# Altium PCB Z693_H93-A_KD01_V1.3_X6.PcbDoc (part 1 of 7) (continued)
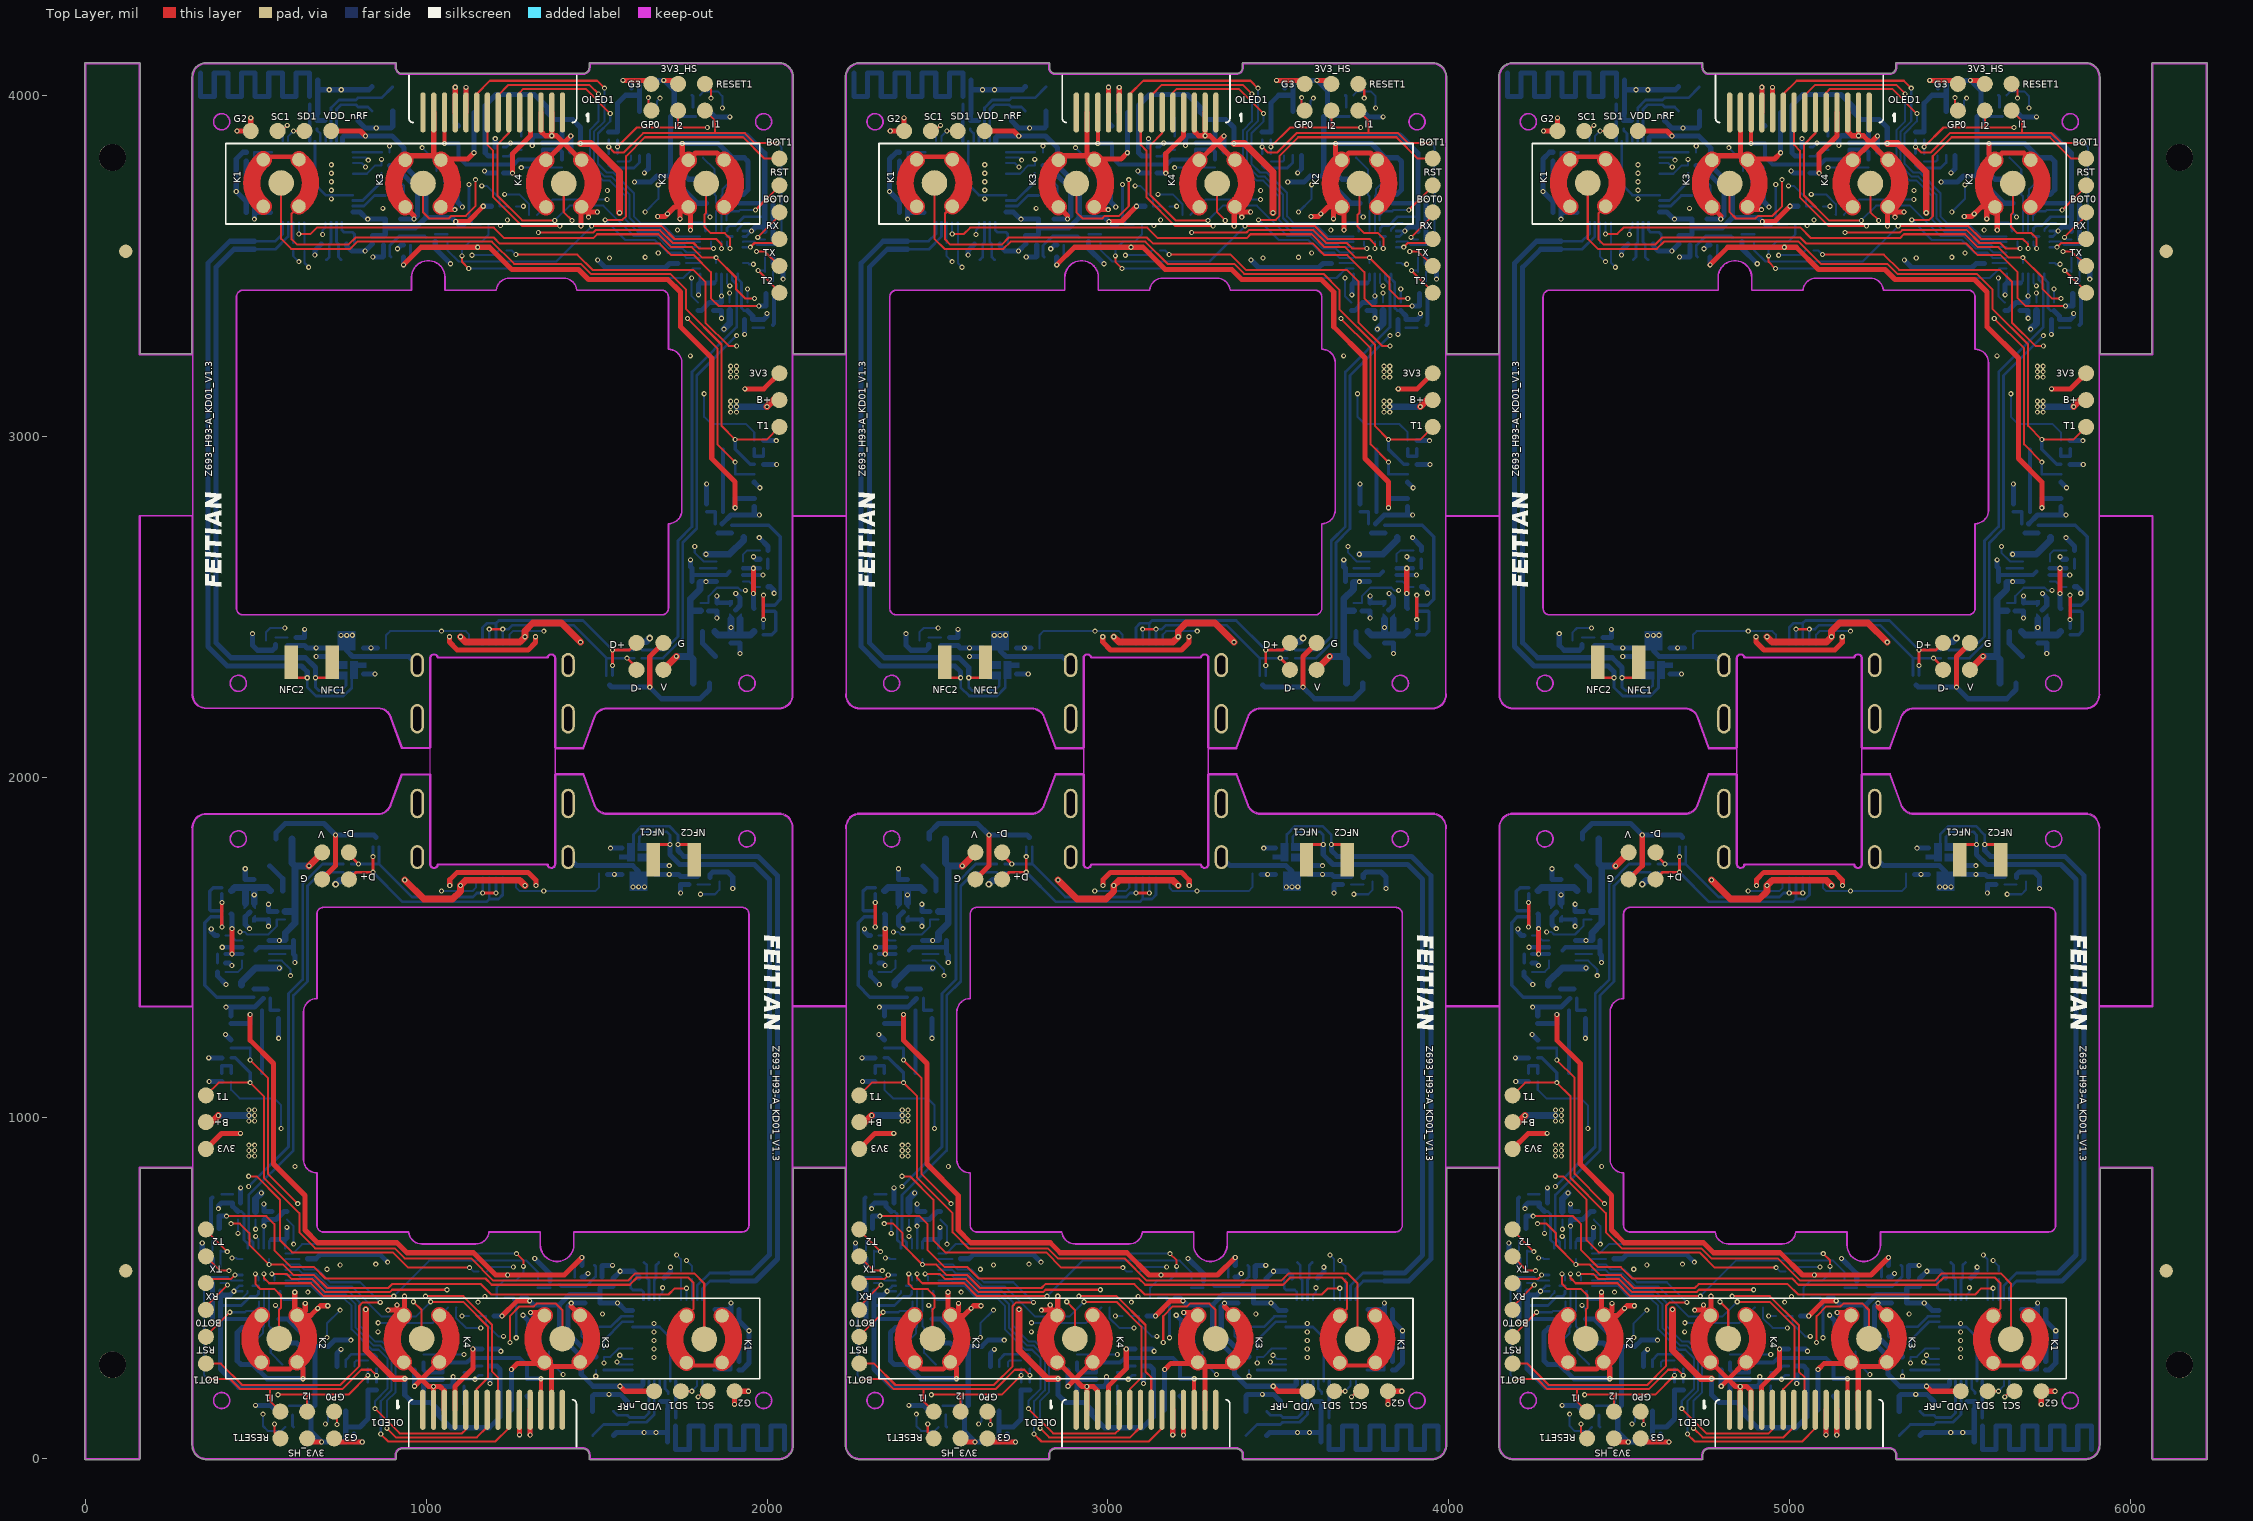
[diagram p0: Top Layer view]
## Components (designator, comment, footprint, x,y, rotation, side; value= is the part's Value field where it differs from the comment) (continued)
C25 "0.1uF" FT_0201_电容 896.88,3881.93 r90 bottom
C26 "12pF" FT_0201_电容 1589.77,100.64 r270 bottom
C26 "12pF" FT_0201_电容 3507.09,100.64 r270 bottom
C26 "12pF" FT_0201_电容 5424.42,100.64 r270 bottom
C26 "12pF" FT_0201_电容 4634.64,3993.85 r90 bottom
C26 "12pF" FT_0201_电容 2717.32,3993.85 r90 bottom
C26 "12pF" FT_0201_电容 800,3993.85 r90 bottom
C27 "0.1uF" FT_0201_电容 1600.26,526.67 r90 bottom
C27 "0.1uF" FT_0201_电容 3517.58,526.67 r90 bottom
C27 "0.1uF" FT_0201_电容 5434.91,526.67 r90 bottom
C27 "0.1uF" FT_0201_电容 4624.15,3567.82 r270 bottom
C27 "0.1uF" FT_0201_电容 2706.83,3567.82 r270 bottom
C27 "0.1uF" FT_0201_电容 789.5,3567.82 r270 bottom
C28 "100pF" FT_0201_电容 1685.26,191.1 r270 bottom
C28 "100pF" FT_0201_电容 3602.58,191.1 r270 bottom
C28 "100pF" FT_0201_电容 5519.91,191.1 r270 bottom
C28 "100pF" FT_0201_电容 4539.15,3903.4 r90 bottom
C28 "100pF" FT_0201_电容 2621.83,3903.4 r90 bottom
C28 "100pF" FT_0201_电容 704.5,3903.4 r90 bottom
C29 "NC" FT_0201_电容 1710.26,191.1 r270 bottom
C29 "NC" FT_0201_电容 3627.58,191.1 r270 bottom
C29 "NC" FT_0201_电容 5544.91,191.1 r270 bottom
C29 "NC" FT_0201_电容 4514.15,3903.4 r90 bottom
C29 "NC" FT_0201_电容 2596.83,3903.4 r90 bottom
C29 "NC" FT_0201_电容 679.5,3903.4 r90 bottom
C30 "0.1uF" FT_0201_电容 400.02,1130.5 r270 bottom
C30 "0.1uF" FT_0201_电容 2317.35,1130.5 r270 bottom
C30 "0.1uF" FT_0201_电容 4234.67,1130.5 r270 bottom
C30 "0.1uF" FT_0201_电容 5824.39,2963.99 r90 bottom
C30 "0.1uF" FT_0201_电容 3907.06,2963.99 r90 bottom
C30 "0.1uF" FT_0201_电容 1989.74,2963.99 r90 bottom
C31 "1uF" FT_0201_电容 764.12,49.34 r0 bottom
C31 "1uF" FT_0201_电容 2681.44,49.34 r0 bottom
C31 "1uF" FT_0201_电容 4598.77,49.34 r0 bottom
C31 "1uF" FT_0201_电容 5460.3,4045.15 r180 bottom
C31 "1uF" FT_0201_电容 3542.97,4045.15 r180 bottom
C31 "1uF" FT_0201_电容 1625.65,4045.15 r180 bottom
C32 "0.8pF" FT_0201_电容 1708.26,141.99 r0 bottom
C32 "0.8pF" FT_0201_电容 3625.58,141.99 r0 bottom
C32 "0.8pF" FT_0201_电容 5542.91,141.99 r0 bottom
C32 "0.8pF" FT_0201_电容 4516.15,3952.51 r180 bottom
C32 "0.8pF" FT_0201_电容 2598.83,3952.51 r180 bottom
C32 "0.8pF" FT_0201_电容 681.5,3952.51 r180 bottom
C33 "NC" FT_0201_电容 1731.88,49.1 r180 bottom
C33 "NC" FT_0201_电容 3649.21,49.1 r180 bottom
C33 "NC" FT_0201_电容 5566.53,49.1 r180 bottom
C33 "NC" FT_0201_电容 4492.53,4045.4 r0 bottom
C33 "NC" FT_0201_电容 2575.21,4045.4 r0 bottom
C33 "NC" FT_0201_电容 657.88,4045.4 r0 bottom
C34 "1.2pF" FT_0201_电容 1731.88,74.02 r180 bottom
C34 "1.2pF" FT_0201_电容 3649.21,74.02 r180 bottom
C34 "1.2pF" FT_0201_电容 5566.53,74.02 r180 bottom
C34 "1.2pF" FT_0201_电容 4492.53,4020.47 r0 bottom
C34 "1.2pF" FT_0201_电容 2575.21,4020.47 r0 bottom
C34 "1.2pF" FT_0201_电容 657.88,4020.47 r0 bottom
C35 "NC" FT_0201_电容 1920.26,521.47 r90 bottom
C35 "NC" FT_0201_电容 3837.58,521.47 r90 bottom
C35 "NC" FT_0201_电容 5754.91,521.47 r90 bottom
C35 "NC" FT_0201_电容 4304.15,3573.02 r270 bottom
C35 "NC" FT_0201_电容 2386.83,3573.02 r270 bottom
C35 "NC" FT_0201_电容 469.5,3573.02 r270 bottom
C36 "NC" FT_0201_电容 1894.26,545.1 r270 bottom
C36 "NC" FT_0201_电容 3811.58,545.1 r270 bottom
C36 "NC" FT_0201_电容 5728.91,545.1 r270 bottom
C36 "NC" FT_0201_电容 4330.15,3549.4 r90 bottom
C36 "NC" FT_0201_电容 2412.83,3549.4 r90 bottom
C36 "NC" FT_0201_电容 495.5,3549.4 r90 bottom
C38 "0.1uF" FT_0201_电容 1894.35,437.71 r0 bottom
C38 "0.1uF" FT_0201_电容 3811.68,437.71 r0 bottom
C38 "0.1uF" FT_0201_电容 5729,437.71 r0 bottom
C38 "0.1uF" FT_0201_电容 4330.06,3656.78 r180 bottom
C38 "0.1uF" FT_0201_电容 2412.73,3656.78 r180 bottom
C38 "0.1uF" FT_0201_电容 495.41,3656.78 r180 bottom
C39 "1uF" FT_0201_电容 1894.35,260.48 r0 bottom
C39 "1uF" FT_0201_电容 3811.68,260.48 r0 bottom
C39 "1uF" FT_0201_电容 5729,260.48 r0 bottom
C39 "1uF" FT_0201_电容 4330.06,3834.01 r180 bottom
C39 "1uF" FT_0201_电容 2412.73,3834.01 r180 bottom
C39 "1uF" FT_0201_电容 495.41,3834.01 r180 bottom
C40 "1uF" FT_0201_电容 991.89,233.1 r180 bottom
C40 "1uF" FT_0201_电容 2909.21,233.1 r180 bottom
C40 "1uF" FT_0201_电容 4826.54,233.1 r180 bottom
C40 "1uF" FT_0201_电容 5232.52,3861.4 r0 bottom
C40 "1uF" FT_0201_电容 3315.2,3861.4 r0 bottom
C40 "1uF" FT_0201_电容 1397.87,3861.4 r0 bottom
C41 "22pF" FT_0201_电容 991.89,282.1 r90 bottom
C41 "22pF" FT_0201_电容 2909.21,282.1 r90 bottom
C41 "22pF" FT_0201_电容 4826.54,282.1 r90 bottom
C41 "22pF" FT_0201_电容 5232.52,3812.4 r270 bottom
C41 "22pF" FT_0201_电容 3315.2,3812.4 r270 bottom
C41 "22pF" FT_0201_电容 1397.87,3812.4 r270 bottom
C42 "1uF" FT_0201_电容 991.89,259.78 r180 bottom
C42 "1uF" FT_0201_电容 2909.21,259.78 r180 bottom
C42 "1uF" FT_0201_电容 4826.54,259.78 r180 bottom
C42 "1uF" FT_0201_电容 5232.52,3834.71 r0 bottom
C42 "1uF" FT_0201_电容 3315.2,3834.71 r0 bottom
C42 "1uF" FT_0201_电容 1397.87,3834.71 r0 bottom
C43 "0.1uF" FT_0201_电容 1162.8,321.88 r0 bottom
C43 "0.1uF" FT_0201_电容 3080.13,321.88 r0 bottom
C43 "0.1uF" FT_0201_电容 4997.45,321.88 r0 bottom
C43 "0.1uF" FT_0201_电容 5061.61,3772.62 r180 bottom
C43 "0.1uF" FT_0201_电容 3144.28,3772.62 r180 bottom
C43 "0.1uF" FT_0201_电容 1226.96,3772.62 r180 bottom
C44 "1uF/16V" FT_0201_电容 1532.41,1716.92 r90 bottom
C44 "1uF/16V" FT_0201_电容 3449.73,1716.92 r90 bottom
C44 "1uF/16V" FT_0201_电容 5367.06,1716.92 r90 bottom
C44 "1uF/16V" FT_0201_电容 4692,2377.57 r270 bottom
C44 "1uF/16V" FT_0201_电容 2774.68,2377.57 r270 bottom
C44 "1uF/16V" FT_0201_电容 857.36,2377.57 r270 bottom
C45 "1uF" FT_0201_电容 1771.26,1708.27 r270 bottom
C45 "1uF" FT_0201_电容 3688.58,1708.27 r270 bottom
C45 "1uF" FT_0201_电容 5605.91,1708.27 r270 bottom
C45 "1uF" FT_0201_电容 4453.15,2386.22 r90 bottom
C45 "1uF" FT_0201_电容 2535.83,2386.22 r90 bottom
C45 "1uF" FT_0201_电容 618.5,2386.22 r90 bottom
C46 "4.7uF" FT_0402_C_3D 1295.08,234.66 r180 bottom
C46 "4.7uF" FT_0402_C_3D 3212.41,234.66 r180 bottom
C46 "4.7uF" FT_0402_C_3D 5129.73,234.66 r180 bottom
C46 "4.7uF" FT_0402_C_3D 4929.33,3859.83 r0 bottom
C46 "4.7uF" FT_0402_C_3D 3012.01,3859.83 r0 bottom
C46 "4.7uF" FT_0402_C_3D 1094.68,3859.83 r0 bottom
C47 "4.7uF" FT_0402_C_3D 1295.08,183.67 r180 bottom
C47 "4.7uF" FT_0402_C_3D 3212.41,183.67 r180 bottom
C47 "4.7uF" FT_0402_C_3D 5129.73,183.67 r180 bottom
C47 "4.7uF" FT_0402_C_3D 4929.33,3910.82 r0 bottom
C47 "4.7uF" FT_0402_C_3D 3012.01,3910.82 r0 bottom
C47 "4.7uF" FT_0402_C_3D 1094.68,3910.82 r0 bottom
C48 "0.01u" FT_0201_电容 372.64,563 r0 bottom
C48 "0.01u" FT_0201_电容 2289.96,563 r0 bottom
C48 "0.01u" FT_0201_电容 4207.29,563 r0 bottom
C48 "0.01u" FT_0201_电容 5851.77,3531.49 r180 bottom
C48 "0.01u" FT_0201_电容 3934.45,3531.49 r180 bottom
C48 "0.01u" FT_0201_电容 2017.13,3531.49 r180 bottom
C49 "1uF/16V" FT_0201_电容 411.07,1454.91 r180 bottom
C49 "1uF/16V" FT_0201_电容 2328.4,1454.91 r180 bottom
C49 "1uF/16V" FT_0201_电容 4245.72,1454.91 r180 bottom
C49 "1uF/16V" FT_0201_电容 5813.34,2639.58 r0 bottom
C49 "1uF/16V" FT_0201_电容 3896.02,2639.58 r0 bottom
C49 "1uF/16V" FT_0201_电容 1978.69,2639.58 r0 bottom
D1 "DFN1006/WSB5546N-2/TR/1.0*0.6mm" FT_DFN1006_WSB5546N-2 580.66,1666.51 r180 bottom
D1 "DFN1006/WSB5546N-2/TR/1.0*0.6mm" FT_DFN1006_WSB5546N-2 2497.99,1666.51 r180 bottom
D1 "DFN1006/WSB5546N-2/TR/1.0*0.6mm" FT_DFN1006_WSB5546N-2 4415.31,1666.51 r180 bottom
D1 "DFN1006/WSB5546N-2/TR/1.0*0.6mm" FT_DFN1006_WSB5546N-2 5643.75,2427.98 r0 bottom
D1 "DFN1006/WSB5546N-2/TR/1.0*0.6mm" FT_DFN1006_WSB5546N-2 3726.43,2427.98 r0 bottom
D1 "DFN1006/WSB5546N-2/TR/1.0*0.6mm" FT_DFN1006_WSB5546N-2 1809.1,2427.98 r0 bottom
D2 "ESD5302N-3/TR/NC" FT_DFN1006-3L/WPM2049B-3/TR_1.06*0.65*0.4 853.26,1824.1 r180 bottom
D2 "ESD5302N-3/TR/NC" FT_DFN1006-3L/WPM2049B-3/TR_1.06*0.65*0.4 2770.58,1824.1 r180 bottom
D2 "ESD5302N-3/TR/NC" FT_DFN1006-3L/WPM2049B-3/TR_1.06*0.65*0.4 4687.91,1824.1 r180 bottom
D2 "ESD5302N-3/TR/NC" FT_DFN1006-3L/WPM2049B-3/TR_1.06*0.65*0.4 5371.15,2270.4 r0 bottom
D2 "ESD5302N-3/TR/NC" FT_DFN1006-3L/WPM2049B-3/TR_1.06*0.65*0.4 3453.83,2270.4 r0 bottom
D2 "ESD5302N-3/TR/NC" FT_DFN1006-3L/WPM2049B-3/TR_1.06*0.65*0.4 1536.5,2270.4 r0 bottom
D3 "ESD56201D10-2/TR/NC" FT_DFN1610_1.65*1.05*0.55 558.8,1818.88 r0 bottom
D3 "ESD56201D10-2/TR/NC" FT_DFN1610_1.65*1.05*0.55 2476.13,1818.88 r0 bottom
D3 "ESD56201D10-2/TR/NC" FT_DFN1610_1.65*1.05*0.55 4393.45,1818.88 r0 bottom
D3 "ESD56201D10-2/TR/NC" FT_DFN1610_1.65*1.05*0.55 5665.61,2275.62 r180 bottom
D3 "ESD56201D10-2/TR/NC" FT_DFN1610_1.65*1.05*0.55 3748.28,2275.62 r180 bottom
D3 "ESD56201D10-2/TR/NC" FT_DFN1610_1.65*1.05*0.55 1830.96,2275.62 r180 bottom
D4 "DFN1006/WSB5546N-2/TR/1.0*0.6mm" FT_DFN1006_WSB5546N-2 457.98,1392.03 r270 bottom
D4 "DFN1006/WSB5546N-2/TR/1.0*0.6mm" FT_DFN1006_WSB5546N-2 2375.3,1392.03 r270 bottom
D4 "DFN1006/WSB5546N-2/TR/1.0*0.6mm" FT_DFN1006_WSB5546N-2 4292.62,1392.03 r270 bottom
D4 "DFN1006/WSB5546N-2/TR/1.0*0.6mm" FT_DFN1006_WSB5546N-2 5766.44,2702.46 r90 bottom
D4 "DFN1006/WSB5546N-2/TR/1.0*0.6mm" FT_DFN1006_WSB5546N-2 3849.11,2702.46 r90 bottom
D4 "DFN1006/WSB5546N-2/TR/1.0*0.6mm" FT_DFN1006_WSB5546N-2 1931.79,2702.46 r90 bottom
D5 "DFN1006/WSB5546N-2/TR/1.0*0.6mm" FT_DFN1006_WSB5546N-2 481.29,1205.28 r0 bottom
D5 "DFN1006/WSB5546N-2/TR/1.0*0.6mm" FT_DFN1006_WSB5546N-2 2398.62,1205.28 r0 bottom
D5 "DFN1006/WSB5546N-2/TR/1.0*0.6mm" FT_DFN1006_WSB5546N-2 4315.94,1205.28 r0 bottom
D5 "DFN1006/WSB5546N-2/TR/1.0*0.6mm" FT_DFN1006_WSB5546N-2 5743.12,2889.21 r180 bottom
D5 "DFN1006/WSB5546N-2/TR/1.0*0.6mm" FT_DFN1006_WSB5546N-2 3825.8,2889.21 r180 bottom
D5 "DFN1006/WSB5546N-2/TR/1.0*0.6mm" FT_DFN1006_WSB5546N-2 1908.47,2889.21 r180 bottom
D6 "DFN1006/WSB5546N-2/TR/1.0*0.6mm" FT_DFN1006_WSB5546N-2 481.29,1277.28 r0 bottom
D6 "DFN1006/WSB5546N-2/TR/1.0*0.6mm" FT_DFN1006_WSB5546N-2 2398.62,1277.28 r0 bottom
D6 "DFN1006/WSB5546N-2/TR/1.0*0.6mm" FT_DFN1006_WSB5546N-2 4315.94,1277.28 r0 bottom
D6 "DFN1006/WSB5546N-2/TR/1.0*0.6mm" FT_DFN1006_WSB5546N-2 5743.12,2817.21 r180 bottom
D6 "DFN1006/WSB5546N-2/TR/1.0*0.6mm" FT_DFN1006_WSB5546N-2 3825.8,2817.21 r180 bottom
D6 "DFN1006/WSB5546N-2/TR/1.0*0.6mm" FT_DFN1006_WSB5546N-2 1908.47,2817.21 r180 bottom
D7 "DFN1006/WSB5546N-2/TR/1.0*0.6mm" FT_DFN1006_WSB5546N-2 481.29,1132.54 r0 bottom
D7 "DFN1006/WSB5546N-2/TR/1.0*0.6mm" FT_DFN1006_WSB5546N-2 2398.62,1132.54 r0 bottom
D7 "DFN1006/WSB5546N-2/TR/1.0*0.6mm" FT_DFN1006_WSB5546N-2 4315.94,1132.54 r0 bottom
D7 "DFN1006/WSB5546N-2/TR/1.0*0.6mm" FT_DFN1006_WSB5546N-2 5743.12,2961.95 r180 bottom
D7 "DFN1006/WSB5546N-2/TR/1.0*0.6mm" FT_DFN1006_WSB5546N-2 3825.8,2961.95 r180 bottom
D7 "DFN1006/WSB5546N-2/TR/1.0*0.6mm" FT_DFN1006_WSB5546N-2 1908.47,2961.95 r180 bottom
D+ "" FT_TEST_1#1 772.88,1700.5 r90 top
D+ "" FT_TEST_1#1 2690.21,1700.5 r90 top
D+ "" FT_TEST_1#1 4607.53,1700.5 r90 top
D+ "" FT_TEST_1#1 5451.53,2393.99 r270 top
D+ "" FT_TEST_1#1 3534.21,2393.99 r270 top
D+ "" FT_TEST_1#1 1616.88,2393.99 r270 top
D- "" FT_TEST_1#1 772.88,1779.24 r90 top
D- "" FT_TEST_1#1 2690.21,1779.24 r90 top
D- "" FT_TEST_1#1 4607.53,1779.24 r90 top
D- "" FT_TEST_1#1 5451.53,2315.25 r270 top
D- "" FT_TEST_1#1 3534.21,2315.25 r270 top
D- "" FT_TEST_1#1 1616.88,2315.25 r270 top
G "" FT_TEST_1#1 694.14,1700.5 r180 top
G "" FT_TEST_1#1 2611.47,1700.5 r180 top
G "" FT_TEST_1#1 4528.79,1700.5 r180 top
G "" FT_TEST_1#1 5530.27,2393.99 r0 top
G "" FT_TEST_1#1 3612.95,2393.99 r0 top
G "" FT_TEST_1#1 1695.62,2393.99 r0 top
G2 "" FT_TEST_1#1 1904.86,198 r270 top
G2 "" FT_TEST_1#1 3822.18,198 r270 top
G2 "" FT_TEST_1#1 5739.51,198 r270 top
G2 "" FT_TEST_1#1 4319.55,3896.49 r90 top
G2 "" FT_TEST_1#1 2402.23,3896.49 r90 top
G2 "" FT_TEST_1#1 484.91,3896.49 r90 top
G3 "" FT_TEST_1#1 729.36,59.56 r180 top
G3 "" FT_TEST_1#1 2646.69,59.56 r180 top
G3 "" FT_TEST_1#1 4564.01,59.56 r180 top
G3 "" FT_TEST_1#1 5495.05,4034.93 r0 top
G3 "" FT_TEST_1#1 3577.73,4034.93 r0 top
G3 "" FT_TEST_1#1 1660.4,4034.93 r0 top
GP0 "" FT_TEST_1#1 729.36,138.3 r270 top
GP0 "" FT_TEST_1#1 2646.69,138.3 r270 top
GP0 "" FT_TEST_1#1 4564.01,138.3 r270 top
GP0 "" FT_TEST_1#1 5495.05,3956.19 r90 top
GP0 "" FT_TEST_1#1 3577.73,3956.19 r90 top
GP0 "" FT_TEST_1#1 1660.4,3956.19 r90 top
I1 "" FT_TEST_1#1 571.88,138.3 r270 top
I1 "" FT_TEST_1#1 2489.21,138.3 r270 top
I1 "" FT_TEST_1#1 4406.53,138.3 r270 top
I1 "" FT_TEST_1#1 5652.53,3956.19 r90 top
I1 "" FT_TEST_1#1 3735.21,3956.19 r90 top
I1 "" FT_TEST_1#1 1817.88,3956.19 r90 top
I2 "" FT_TEST_1#1 650.62,138.3 r270 top
I2 "" FT_TEST_1#1 2567.95,138.3 r270 top
I2 "" FT_TEST_1#1 4485.27,138.3 r270 top
I2 "" FT_TEST_1#1 5573.79,3956.19 r90 top
I2 "" FT_TEST_1#1 3656.47,3956.19 r90 top
I2 "" FT_TEST_1#1 1739.14,3956.19 r90 top
J1 "FT_USB-FM0512-D5528" U22401-1 1194.95,1720.1 r0 bottom locked
J1 "FT_USB-FM0512-D5528" U22401-1 3112.27,1720.1 r0 bottom locked
J1 "FT_USB-FM0512-D5528" U22401-1 5029.59,1720.1 r0 bottom locked
J1 "FT_USB-FM0512-D5528" U22401-1 5029.47,2374.4 r180 bottom locked
J1 "FT_USB-FM0512-D5528" U22401-1 3112.14,2374.4 r180 bottom locked
J1 "FT_USB-FM0512-D5528" U22401-1 1194.82,2374.4 r180 bottom locked
K1 "锅仔片/5mm" FT_BUTTON_5MM#1 1815.75,350.61 r270 top
K1 "锅仔片/5mm" FT_BUTTON_5MM#1 3733.07,350.61 r270 top
K1 "锅仔片/5mm" FT_BUTTON_5MM#1 5650.4,350.61 r270 top
K1 "锅仔片/5mm" FT_BUTTON_5MM#1 4408.66,3743.88 r90 top
K1 "锅仔片/5mm" FT_BUTTON_5MM#1 2491.34,3743.88 r90 top
K1 "锅仔片/5mm" FT_BUTTON_5MM#1 574.02,3743.88 r90 top
K2 "OK" FT_BUTTON_5MM#2 568.26,352.1 r90 top
K2 "OK" FT_BUTTON_5MM#2 2485.58,352.1 r90 top
K2 "OK" FT_BUTTON_5MM#2 4402.91,352.1 r90 top
K2 "OK" FT_BUTTON_5MM#2 5656.15,3742.4 r270 top
K2 "OK" FT_BUTTON_5MM#2 3738.83,3742.4 r270 top
K2 "OK" FT_BUTTON_5MM#2 1821.5,3742.4 r270 top
K3 "UP" FT_BUTTON_5MM#2 1399.26,352.1 r270 top
K3 "UP" FT_BUTTON_5MM#2 3316.58,352.1 r270 top
K3 "UP" FT_BUTTON_5MM#2 5233.91,352.1 r270 top
K3 "UP" FT_BUTTON_5MM#2 4825.15,3742.4 r90 top
K3 "UP" FT_BUTTON_5MM#2 2907.83,3742.4 r90 top
K3 "UP" FT_BUTTON_5MM#2 990.5,3742.4 r90 top
K4 "DOWN" FT_BUTTON_5MM#2 986.26,352.1 r270 top
K4 "DOWN" FT_BUTTON_5MM#2 2903.58,352.1 r270 top
K4 "DOWN" FT_BUTTON_5MM#2 4820.91,352.1 r270 top
K4 "DOWN" FT_BUTTON_5MM#2 5238.15,3742.4 r90 top
K4 "DOWN" FT_BUTTON_5MM#2 3320.83,3742.4 r90 top
K4 "DOWN" FT_BUTTON_5MM#2 1403.5,3742.4 r90 top
L1 "15nH" FT_0201_电容 1521.1,347.1 r180 bottom
L1 "15nH" FT_0201_电容 3438.42,347.1 r180 bottom
L1 "15nH" FT_0201_电容 5355.74,347.1 r180 bottom
L1 "15nH" FT_0201_电容 4703.32,3747.4 r0 bottom
L1 "15nH" FT_0201_电容 2785.99,3747.4 r0 bottom
L1 "15nH" FT_0201_电容 868.67,3747.4 r0 bottom
L2 "10uH" "FT_0603 - C_3D" 1455.17,387.1 r0 bottom
L2 "10uH" "FT_0603 - C_3D" 3372.49,387.1 r0 bottom
L2 "10uH" "FT_0603 - C_3D" 5289.81,387.1 r0 bottom
L2 "10uH" "FT_0603 - C_3D" 4769.25,3707.4 r180 bottom
L2 "10uH" "FT_0603 - C_3D" 2851.92,3707.4 r180 bottom
L2 "10uH" "FT_0603 - C_3D" 934.6,3707.4 r180 bottom
L3 "3.9nH" FT_0201_电容 1731.88,119.99 r270 bottom
L3 "3.9nH" FT_0201_电容 3649.21,119.99 r270 bottom
L3 "3.9nH" FT_0201_电容 5566.53,119.99 r270 bottom
L3 "3.9nH" FT_0201_电容 4492.53,3974.51 r90 bottom
L3 "3.9nH" FT_0201_电容 2575.21,3974.51 r90 bottom
L3 "3.9nH" FT_0201_电容 657.88,3974.51 r90 bottom
L4 "22uH" FT_0805C 1109.8,142.88 r180 bottom
L4 "22uH" FT_0805C 3027.13,142.88 r180 bottom
L4 "22uH" FT_0805C 4944.45,142.88 r180 bottom
L4 "22uH" FT_0805C 5114.61,3951.62 r0 bottom
L4 "22uH" FT_0805C 3197.28,3951.62 r0 bottom
L4 "22uH" FT_0805C 1279.96,3951.62 r0 bottom
NFC1 "" FT_TEST_1#2 1665.93,1757.75 r0 top
NFC1 "" FT_TEST_1#2 3583.25,1757.75 r0 top
NFC1 "" FT_TEST_1#2 5500.58,1757.75 r0 top
NFC1 "" FT_TEST_1#2 4558.48,2336.74 r180 top
NFC1 "" FT_TEST_1#2 2641.16,2336.74 r180 top
NFC1 "" FT_TEST_1#2 723.84,2336.74 r180 top
NFC2 "" FT_TEST_1#2 1785.98,1757.75 r180 top
NFC2 "" FT_TEST_1#2 3703.3,1757.75 r180 top
NFC2 "" FT_TEST_1#2 5620.63,1757.75 r180 top
NFC2 "" FT_TEST_1#2 4438.44,2336.74 r0 top
NFC2 "" FT_TEST_1#2 2521.11,2336.74 r0 top
NFC2 "" FT_TEST_1#2 603.79,2336.74 r0 top
OLED1 "UGOLED-12864" OLED14 989.88,143.56 r0 top locked
OLED1 "UGOLED-12864" OLED14 2907.21,143.56 r0 top locked
OLED1 "UGOLED-12864" OLED14 4824.53,143.56 r0 top locked
OLED1 "UGOLED-12864" OLED14 5234.53,3950.93 r180 top locked
OLED1 "UGOLED-12864" OLED14 3317.21,3950.93 r180 top locked
OLED1 "UGOLED-12864" OLED14 1399.88,3950.93 r180 top locked
Q1 "DFN1006-3L/WPM2049B-3/TR/PMOS管" FT_DFN1006-3L/WPM2049B-3/TR_1.06*0.65*0.4 428.26,1598.1 r90 bottom
Q1 "DFN1006-3L/WPM2049B-3/TR/PMOS管" FT_DFN1006-3L/WPM2049B-3/TR_1.06*0.65*0.4 2345.58,1598.1 r90 bottom
Q1 "DFN1006-3L/WPM2049B-3/TR/PMOS管" FT_DFN1006-3L/WPM2049B-3/TR_1.06*0.65*0.4 4262.91,1598.1 r90 bottom
Q1 "DFN1006-3L/WPM2049B-3/TR/PMOS管" FT_DFN1006-3L/WPM2049B-3/TR_1.06*0.65*0.4 5796.15,2496.4 r270 bottom
Q1 "DFN1006-3L/WPM2049B-3/TR/PMOS管" FT_DFN1006-3L/WPM2049B-3/TR_1.06*0.65*0.4 3878.83,2496.4 r270 bottom
Q1 "DFN1006-3L/WPM2049B-3/TR/PMOS管" FT_DFN1006-3L/WPM2049B-3/TR_1.06*0.65*0.4 1961.5,2496.4 r270 bottom
Q2 "DFN1006-3L/WPM2049B-3/TR/PMOS管" FT_DFN1006-3L/WPM2049B-3/TR_1.06*0.65*0.4 428.26,1666.1 r90 bottom
Q2 "DFN1006-3L/WPM2049B-3/TR/PMOS管" FT_DFN1006-3L/WPM2049B-3/TR_1.06*0.65*0.4 2345.58,1666.1 r90 bottom
Q2 "DFN1006-3L/WPM2049B-3/TR/PMOS管" FT_DFN1006-3L/WPM2049B-3/TR_1.06*0.65*0.4 4262.91,1666.1 r90 bottom
Q2 "DFN1006-3L/WPM2049B-3/TR/PMOS管" FT_DFN1006-3L/WPM2049B-3/TR_1.06*0.65*0.4 5796.15,2428.4 r270 bottom
Q2 "DFN1006-3L/WPM2049B-3/TR/PMOS管" FT_DFN1006-3L/WPM2049B-3/TR_1.06*0.65*0.4 3878.83,2428.4 r270 bottom
Q2 "DFN1006-3L/WPM2049B-3/TR/PMOS管" FT_DFN1006-3L/WPM2049B-3/TR_1.06*0.65*0.4 1961.5,2428.4 r270 bottom
Q3 "DFN1006-3L/WNM2046B-3/TR/NMOS管" FT_DFN1006-3L/WPM2049B-3/TR_1.06*0.65*0.4 533.98,1378.81 r180 bottom
Q3 "DFN1006-3L/WNM2046B-3/TR/NMOS管" FT_DFN1006-3L/WPM2049B-3/TR_1.06*0.65*0.4 2451.3,1378.81 r180 bottom
Q3 "DFN1006-3L/WNM2046B-3/TR/NMOS管" FT_DFN1006-3L/WPM2049B-3/TR_1.06*0.65*0.4 4368.62,1378.81 r180 bottom
Q3 "DFN1006-3L/WNM2046B-3/TR/NMOS管" FT_DFN1006-3L/WPM2049B-3/TR_1.06*0.65*0.4 5690.44,2715.68 r0 bottom
Q3 "DFN1006-3L/WNM2046B-3/TR/NMOS管" FT_DFN1006-3L/WPM2049B-3/TR_1.06*0.65*0.4 3773.11,2715.68 r0 bottom
Q3 "DFN1006-3L/WNM2046B-3/TR/NMOS管" FT_DFN1006-3L/WPM2049B-3/TR_1.06*0.65*0.4 1855.79,2715.68 r0 bottom
Q4 "DFN1006-3L/WPM2049B-3/TR/PMOS管" FT_DFN1006-3L/WPM2049B-3/TR_1.06*0.65*0.4 1505.02,505.1 r0 bottom
Q4 "DFN1006-3L/WPM2049B-3/TR/PMOS管" FT_DFN1006-3L/WPM2049B-3/TR_1.06*0.65*0.4 3422.34,505.1 r0 bottom
Q4 "DFN1006-3L/WPM2049B-3/TR/PMOS管" FT_DFN1006-3L/WPM2049B-3/TR_1.06*0.65*0.4 5339.66,505.1 r0 bottom
Q4 "DFN1006-3L/WPM2049B-3/TR/PMOS管" FT_DFN1006-3L/WPM2049B-3/TR_1.06*0.65*0.4 4719.4,3589.4 r180 bottom
Q4 "DFN1006-3L/WPM2049B-3/TR/PMOS管" FT_DFN1006-3L/WPM2049B-3/TR_1.06*0.65*0.4 2802.07,3589.4 r180 bottom
Q4 "DFN1006-3L/WPM2049B-3/TR/PMOS管" FT_DFN1006-3L/WPM2049B-3/TR_1.06*0.65*0.4 884.75,3589.4 r180 bottom
Q5 "DFN1006-3L/WNM2046B-3/TR/NMOS管" FT_DFN1006-3L/WPM2049B-3/TR_1.06*0.65*0.4 1444.04,505.1 r0 bottom
Q5 "DFN1006-3L/WNM2046B-3/TR/NMOS管" FT_DFN1006-3L/WPM2049B-3/TR_1.06*0.65*0.4 3361.37,505.1 r0 bottom
Q5 "DFN1006-3L/WNM2046B-3/TR/NMOS管" FT_DFN1006-3L/WPM2049B-3/TR_1.06*0.65*0.4 5278.69,505.1 r0 bottom
Q5 "DFN1006-3L/WNM2046B-3/TR/NMOS管" FT_DFN1006-3L/WPM2049B-3/TR_1.06*0.65*0.4 4780.37,3589.4 r180 bottom
Q5 "DFN1006-3L/WNM2046B-3/TR/NMOS管" FT_DFN1006-3L/WPM2049B-3/TR_1.06*0.65*0.4 2863.05,3589.4 r180 bottom
Q5 "DFN1006-3L/WNM2046B-3/TR/NMOS管" FT_DFN1006-3L/WPM2049B-3/TR_1.06*0.65*0.4 945.72,3589.4 r180 bottom
Q6 "DFN1006-3L/WNM2046B-3/TR/NMOS管" FT_DFN1006-3L/WPM2049B-3/TR_1.06*0.65*0.4 1391.26,509.38 r90 bottom
Q6 "DFN1006-3L/WNM2046B-3/TR/NMOS管" FT_DFN1006-3L/WPM2049B-3/TR_1.06*0.65*0.4 3308.58,509.38 r90 bottom
Q6 "DFN1006-3L/WNM2046B-3/TR/NMOS管" FT_DFN1006-3L/WPM2049B-3/TR_1.06*0.65*0.4 5225.91,509.38 r90 bottom
Q6 "DFN1006-3L/WNM2046B-3/TR/NMOS管" FT_DFN1006-3L/WPM2049B-3/TR_1.06*0.65*0.4 4833.15,3585.11 r270 bottom
Q6 "DFN1006-3L/WNM2046B-3/TR/NMOS管" FT_DFN1006-3L/WPM2049B-3/TR_1.06*0.65*0.4 2915.83,3585.11 r270 bottom
Q6 "DFN1006-3L/WNM2046B-3/TR/NMOS管" FT_DFN1006-3L/WPM2049B-3/TR_1.06*0.65*0.4 998.5,3585.11 r270 bottom
Q7 "DFN1006-3L/WNM2046B-3/TR/NMOS管" FT_DFN1006-3L/WPM2049B-3/TR_1.06*0.65*0.4 1860.58,1692.65 r90 bottom
Q7 "DFN1006-3L/WNM2046B-3/TR/NMOS管" FT_DFN1006-3L/WPM2049B-3/TR_1.06*0.65*0.4 3777.9,1692.65 r90 bottom
Q7 "DFN1006-3L/WNM2046B-3/TR/NMOS管" FT_DFN1006-3L/WPM2049B-3/TR_1.06*0.65*0.4 5695.22,1692.65 r90 bottom
Q7 "DFN1006-3L/WNM2046B-3/TR/NMOS管" FT_DFN1006-3L/WPM2049B-3/TR_1.06*0.65*0.4 4363.84,2401.84 r270 bottom
Q7 "DFN1006-3L/WNM2046B-3/TR/NMOS管" FT_DFN1006-3L/WPM2049B-3/TR_1.06*0.65*0.4 2446.51,2401.84 r270 bottom
Q7 "DFN1006-3L/WNM2046B-3/TR/NMOS管" FT_DFN1006-3L/WPM2049B-3/TR_1.06*0.65*0.4 529.19,2401.84 r270 bottom
Q8 "DFN1006-3L/WPM2049B-3/TR/PMOS管" FT_DFN1006-3L/WPM2049B-3/TR_1.06*0.65*0.4 661.12,127.6 r0 bottom
Q8 "DFN1006-3L/WPM2049B-3/TR/PMOS管" FT_DFN1006-3L/WPM2049B-3/TR_1.06*0.65*0.4 2578.44,127.6 r0 bottom
Q8 "DFN1006-3L/WPM2049B-3/TR/PMOS管" FT_DFN1006-3L/WPM2049B-3/TR_1.06*0.65*0.4 4495.77,127.6 r0 bottom
Q8 "DFN1006-3L/WPM2049B-3/TR/PMOS管" FT_DFN1006-3L/WPM2049B-3/TR_1.06*0.65*0.4 5563.29,3966.89 r180 bottom
Q8 "DFN1006-3L/WPM2049B-3/TR/PMOS管" FT_DFN1006-3L/WPM2049B-3/TR_1.06*0.65*0.4 3645.97,3966.89 r180 bottom
Q8 "DFN1006-3L/WPM2049B-3/TR/PMOS管" FT_DFN1006-3L/WPM2049B-3/TR_1.06*0.65*0.4 1728.65,3966.89 r180 bottom
Q9 "DFN1006-3L/WNM2046B-3/TR/NMOS管" FT_DFN1006-3L/WPM2049B-3/TR_1.06*0.65*0.4 599.12,156.54 r180 bottom
Q9 "DFN1006-3L/WNM2046B-3/TR/NMOS管" FT_DFN1006-3L/WPM2049B-3/TR_1.06*0.65*0.4 2516.44,156.54 r180 bottom
Q9 "DFN1006-3L/WNM2046B-3/TR/NMOS管" FT_DFN1006-3L/WPM2049B-3/TR_1.06*0.65*0.4 4433.77,156.54 r180 bottom
Q9 "DFN1006-3L/WNM2046B-3/TR/NMOS管" FT_DFN1006-3L/WPM2049B-3/TR_1.06*0.65*0.4 5625.29,3937.95 r0 bottom
Q9 "DFN1006-3L/WNM2046B-3/TR/NMOS管" FT_DFN1006-3L/WPM2049B-3/TR_1.06*0.65*0.4 3707.97,3937.95 r0 bottom
Q9 "DFN1006-3L/WNM2046B-3/TR/NMOS管" FT_DFN1006-3L/WPM2049B-3/TR_1.06*0.65*0.4 1790.65,3937.95 r0 bottom
Q10 "DFN1006-3L/WNM2046B-3/TR/NMOS管" FT_DFN1006-3L/WPM2049B-3/TR_1.06*0.65*0.4 371.8,767.88 r270 bottom
Q10 "DFN1006-3L/WNM2046B-3/TR/NMOS管" FT_DFN1006-3L/WPM2049B-3/TR_1.06*0.65*0.4 2289.13,767.88 r270 bottom
Q10 "DFN1006-3L/WNM2046B-3/TR/NMOS管" FT_DFN1006-3L/WPM2049B-3/TR_1.06*0.65*0.4 4206.45,767.88 r270 bottom
Q10 "DFN1006-3L/WNM2046B-3/TR/NMOS管" FT_DFN1006-3L/WPM2049B-3/TR_1.06*0.65*0.4 5852.61,3326.62 r90 bottom
Q10 "DFN1006-3L/WNM2046B-3/TR/NMOS管" FT_DFN1006-3L/WPM2049B-3/TR_1.06*0.65*0.4 3935.28,3326.62 r90 bottom
Q10 "DFN1006-3L/WNM2046B-3/TR/NMOS管" FT_DFN1006-3L/WPM2049B-3/TR_1.06*0.65*0.4 2017.96,3326.62 r90 bottom
Q11 "DFN1006-3L/WNM2046B-3/TR/NMOS管" FT_DFN1006-3L/WPM2049B-3/TR_1.06*0.65*0.4 1360.8,314.16 r90 bottom
Q11 "DFN1006-3L/WNM2046B-3/TR/NMOS管" FT_DFN1006-3L/WPM2049B-3/TR_1.06*0.65*0.4 3278.13,314.16 r90 bottom
Q11 "DFN1006-3L/WNM2046B-3/TR/NMOS管" FT_DFN1006-3L/WPM2049B-3/TR_1.06*0.65*0.4 5195.45,314.16 r90 bottom
Q11 "DFN1006-3L/WNM2046B-3/TR/NMOS管" FT_DFN1006-3L/WPM2049B-3/TR_1.06*0.65*0.4 4863.61,3780.33 r270 bottom
Q11 "DFN1006-3L/WNM2046B-3/TR/NMOS管" FT_DFN1006-3L/WPM2049B-3/TR_1.06*0.65*0.4 2946.28,3780.33 r270 bottom
Q11 "DFN1006-3L/WNM2046B-3/TR/NMOS管" FT_DFN1006-3L/WPM2049B-3/TR_1.06*0.65*0.4 1028.96,3780.33 r270 bottom
Q12 "DFN1006-3L/WPM2049B-3/TR/PMOS管" FT_DFN1006-3L/WPM2049B-3/TR_1.06*0.65*0.4 380.8,647.35 r0 bottom
Q12 "DFN1006-3L/WPM2049B-3/TR/PMOS管" FT_DFN1006-3L/WPM2049B-3/TR_1.06*0.65*0.4 2298.13,647.35 r0 bottom
Q12 "DFN1006-3L/WPM2049B-3/TR/PMOS管" FT_DFN1006-3L/WPM2049B-3/TR_1.06*0.65*0.4 4215.45,647.35 r0 bottom
Q12 "DFN1006-3L/WPM2049B-3/TR/PMOS管" FT_DFN1006-3L/WPM2049B-3/TR_1.06*0.65*0.4 5843.61,3447.14 r180 bottom
Q12 "DFN1006-3L/WPM2049B-3/TR/PMOS管" FT_DFN1006-3L/WPM2049B-3/TR_1.06*0.65*0.4 3926.28,3447.14 r180 bottom
Q12 "DFN1006-3L/WPM2049B-3/TR/PMOS管" FT_DFN1006-3L/WPM2049B-3/TR_1.06*0.65*0.4 2008.96,3447.14 r180 bottom
R1 "10K" FT_0201_电阻 427.26,1106.88 r90 bottom
R1 "10K" FT_0201_电阻 2344.58,1106.88 r90 bottom
R1 "10K" FT_0201_电阻 4261.91,1106.88 r90 bottom
R1 "10K" FT_0201_电阻 5797.15,2987.62 r270 bottom
R1 "10K" FT_0201_电阻 3879.83,2987.62 r270 bottom
R1 "10K" FT_0201_电阻 1962.5,2987.62 r270 bottom
R2 "5.1K" FT_0201_电阻 1507.26,1717.1 r90 bottom
R2 "5.1K" FT_0201_电阻 3424.58,1717.1 r90 bottom
R2 "5.1K" FT_0201_电阻 5341.91,1717.1 r90 bottom
R2 "5.1K" FT_0201_电阻 4717.15,2377.4 r270 bottom
R2 "5.1K" FT_0201_电阻 2799.83,2377.4 r270 bottom
R2 "5.1K" FT_0201_电阻 882.5,2377.4 r270 bottom
R3 "10k" FT_0201_电阻 567.27,409.97 r90 bottom
R3 "10k" FT_0201_电阻 2484.59,409.97 r90 bottom
R3 "10k" FT_0201_电阻 4401.92,409.97 r90 bottom
R3 "10k" FT_0201_电阻 5657.14,3684.52 r270 bottom
R3 "10k" FT_0201_电阻 3739.82,3684.52 r270 bottom
R3 "10k" FT_0201_电阻 1822.5,3684.52 r270 bottom
R4 "NC" FT_0201_电阻 566.8,1315.88 r270 bottom
R4 "NC" FT_0201_电阻 2484.13,1315.88 r270 bottom
R4 "NC" FT_0201_电阻 4401.45,1315.88 r270 bottom
R4 "NC" FT_0201_电阻 5657.61,2778.62 r90 bottom
R4 "NC" FT_0201_电阻 3740.28,2778.62 r90 bottom
R4 "NC" FT_0201_电阻 1822.96,2778.62 r90 bottom
R5 "10K" FT_0201_电阻 585.26,1582.58 r90 bottom
R5 "10K" FT_0201_电阻 2502.58,1582.58 r90 bottom
R5 "10K" FT_0201_电阻 4419.91,1582.58 r90 bottom
R5 "10K" FT_0201_电阻 5639.15,2511.91 r270 bottom
R5 "10K" FT_0201_电阻 3721.83,2511.91 r270 bottom
R5 "10K" FT_0201_电阻 1804.5,2511.91 r270 bottom
R6 "10K" FT_0201_电阻 591.76,725.28 r270 bottom
R6 "10K" FT_0201_电阻 2509.08,725.28 r270 bottom
R6 "10K" FT_0201_电阻 4426.4,725.28 r270 bottom
R6 "10K" FT_0201_电阻 5632.66,3369.21 r90 bottom
R6 "10K" FT_0201_电阻 3715.33,3369.21 r90 bottom
R6 "10K" FT_0201_电阻 1798.01,3369.21 r90 bottom
R7 "20K" FT_0201_电阻 561.26,1606.2 r270 bottom
R7 "20K" FT_0201_电阻 2478.58,1606.2 r270 bottom
R7 "20K" FT_0201_电阻 4395.91,1606.2 r270 bottom
R7 "20K" FT_0201_电阻 5663.15,2488.29 r90 bottom
R7 "20K" FT_0201_电阻 3745.83,2488.29 r90 bottom
R7 "20K" FT_0201_电阻 1828.5,2488.29 r90 bottom
R8 "22R" FT_0201_电阻 499.26,725.28 r270 bottom
R8 "22R" FT_0201_电阻 2416.58,725.28 r270 bottom
R8 "22R" FT_0201_电阻 4333.91,725.28 r270 bottom
R8 "22R" FT_0201_电阻 5725.15,3369.21 r90 bottom
R8 "22R" FT_0201_电阻 3807.83,3369.21 r90 bottom
R8 "22R" FT_0201_电阻 1890.5,3369.21 r90 bottom
R9 "22R" FT_0201_电阻 756.64,1745.1 r0 bottom
R9 "22R" FT_0201_电阻 2673.96,1745.1 r0 bottom
R9 "22R" FT_0201_电阻 4591.29,1745.1 r0 bottom
R9 "22R" FT_0201_电阻 5467.77,2349.4 r180 bottom
R9 "22R" FT_0201_电阻 3550.45,2349.4 r180 bottom
R9 "22R" FT_0201_电阻 1633.13,2349.4 r180 bottom
R10 "0R" FT_0201_电阻 1780.13,550.29 r270 bottom
R10 "0R" FT_0201_电阻 3697.45,550.29 r270 bottom
R10 "0R" FT_0201_电阻 5614.78,550.29 r270 bottom
R10 "0R" FT_0201_电阻 4444.28,3544.2 r90 bottom
R10 "0R" FT_0201_电阻 2526.96,3544.2 r90 bottom
R10 "0R" FT_0201_电阻 609.63,3544.2 r90 bottom
R11 "22R" FT_0201_电阻 756.64,1721.1 r0 bottom
R11 "22R" FT_0201_电阻 2673.96,1721.1 r0 bottom
R11 "22R" FT_0201_电阻 4591.29,1721.1 r0 bottom
R11 "22R" FT_0201_电阻 5467.77,2373.4 r180 bottom
R11 "22R" FT_0201_电阻 3550.45,2373.4 r180 bottom
R11 "22R" FT_0201_电阻 1633.13,2373.4 r180 bottom
R12 "NC" FT_0201_电阻 780.26,1697.1 r180 bottom
R12 "NC" FT_0201_电阻 2697.58,1697.1 r180 bottom
R12 "NC" FT_0201_电阻 4614.91,1697.1 r180 bottom
R12 "NC" FT_0201_电阻 5444.15,2397.4 r0 bottom
R12 "NC" FT_0201_电阻 3526.83,2397.4 r0 bottom
R12 "NC" FT_0201_电阻 1609.5,2397.4 r0 bottom
R13 "390R" FT_0201_电阻 539.01,433.59 r270 bottom
R13 "390R" FT_0201_电阻 2456.33,433.59 r270 bottom
R13 "390R" FT_0201_电阻 4373.66,433.59 r270 bottom
R13 "390R" FT_0201_电阻 5685.4,3660.9 r90 bottom
R13 "390R" FT_0201_电阻 3768.08,3660.9 r90 bottom
R13 "390R" FT_0201_电阻 1850.76,3660.9 r90 bottom
R14 "10k" FT_0201_电阻 472.16,433.59 r270 bottom
R14 "10k" FT_0201_电阻 2389.48,433.59 r270 bottom
R14 "10k" FT_0201_电阻 4306.81,433.59 r270 bottom
R14 "10k" FT_0201_电阻 5752.25,3660.9 r90 bottom
R14 "10k" FT_0201_电阻 3834.93,3660.9 r90 bottom
R14 "10k" FT_0201_电阻 1917.6,3660.9 r90 bottom
R15 "0R" FT_0201_电阻 1747.13,550.29 r270 bottom
R15 "0R" FT_0201_电阻 3664.45,550.29 r270 bottom
R15 "0R" FT_0201_电阻 5581.78,550.29 r270 bottom
R15 "0R" FT_0201_电阻 4477.28,3544.2 r90 bottom
R15 "0R" FT_0201_电阻 2559.96,3544.2 r90 bottom